# Altium PCB версия1.PcbDoc (part 2 of 3)
Units mm, origin at the board's own origin, x right, y up, seen from the top; angles counter-clockwise.
Board outline 53 x 45 mm, 4 copper layers (Top Layer, Layer 1, Layer 2, Bottom Layer), stack 1.083 mm thick; 122 components, 140 nets, 822 pads, 325 vias.
Unrouted connection lines stored in the file: 1.
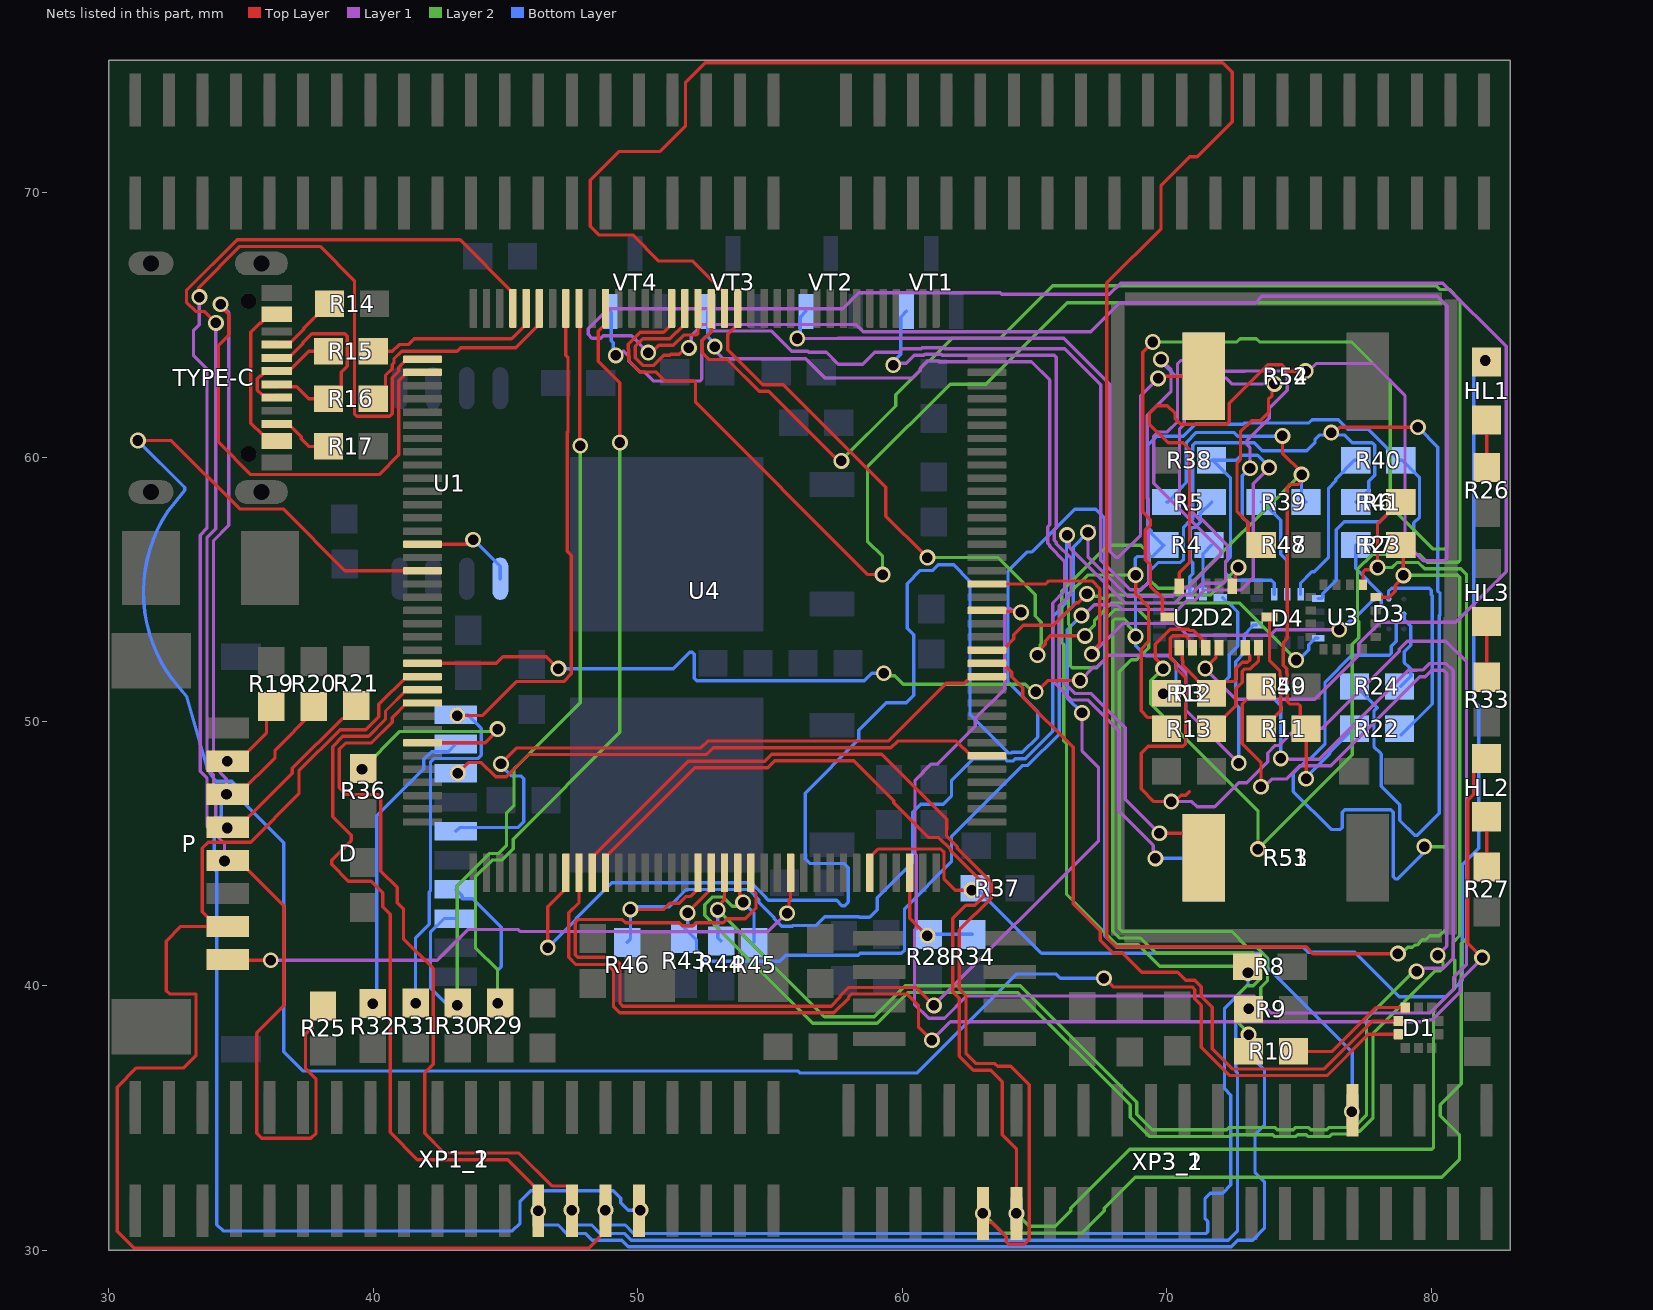
[diagram p4: the nets of this part, all layers, seen from the top]

## Via types
v1: diameter 0.6, hole 0.4, Top Layer to Bottom Layer, 325 vias

## Nets (pads, with @x,y where several pads share a name; then routed paths per layer and width w, separated by ;. In a path a pad name is that pad's centre, name@x,y a point inside that pad or via, vN(x,y) a via of type N, cw(c..) or ccw(c..) an arc to the next point about the centre after c; other vN are vias at no path point) (continued)
NetD1_5: D1.5 R10.2 | length 4.9
  Top Layer w0.125: R10.2@74.8,37.525 76.268,37.525 77.933,39.19 D1.5@79.025,39.19
NetD1_6: D1.6 U4.49 | length 27.8
  Top Layer w0.125: U4.49@63.2,52.2 63.795,52.2 64.137,51.858 64.137,51.698 64.562,51.273 64.562,50.923 66.462,49.024 66.462,43.108 67.487,42.083 67.487,41.729 67.981,41.236 68.335,41.236 69.051,40.519 70.411,40.519 70.717,40.213 71.071,40.213 71.313,39.971 71.313,39.617 71.725,39.205 71.725,37.62 72.483,36.862 75.959,36.862 77.771,38.675 D1.6@78.76,38.675
NetD1_7: D1.7 U4.125 | length 86.5
  Top Layer w0.125: v1(31.1,60.625) 32.368,60.625 34.956,58.038 36.592,58.038 38.93,55.7 U4.125@41.86,55.7 ; v1(67.625,40.295) 67.65,40.295 67.982,39.963 70.967,39.963 71.063,39.867 71.063,39.514 71.313,39.264 71.313,37.679 72.379,36.612 76.062,36.612 77.625,38.175 D1.7@78.76,38.175
  Bottom Layer w0.125: v1(31.1,60.625) 32.839,58.886 32.875,58.85 32.875,58.798 32.875,58.746 32.497,58.275 cw(c32,58.675) 32.492,58.27 32.243,57.966 32.239,57.961 ccw(c36.829,54.896) 32.664,51.274 32.935,50.962 33.737,48.195 33.989,47.811 34.063,47.738 34.114,47.738 34.652,47.738 34.938,47.452 34.938,47.098 36.613,45.423 36.613,37.511 37.336,36.787 56.056,36.787 56.131,36.712 60.577,36.712 64.314,40.45 65.828,40.45 65.983,40.295 v1(67.625,40.295)
NetD2_1: D2.1 U4.92 | length 72.7
  Top Layer w0.125: U4.92@51.78,65.62 51.78,65.025 51.493,64.738 51.482,64.738 51.467,64.722 51.458,64.722 51.208,64.472 50.197,64.472 49.906,64.182 49.906,63.754 50.198,63.462 50.602,63.462 50.989,63.849 51.215,63.849 51.252,63.886 51.569,63.886 51.808,64.125 v1(51.937,64.125) ; D2.1@70.475,55.115 70.475,55.617 70.863,56.004 70.863,60.292 70.617,60.538 70.052,60.538 69.342,61.248 69.342,61.652 69.627,61.938 70.031,61.938 70.317,61.652 70.317,61.454 70.533,61.238 72.267,61.238 72.363,61.333 72.363,62.027 73.825,63.489 74.353,63.489 74.595,63.248 v1(75.252,63.248)
  Layer 1 w0.125: v1(51.937,64.125) 52.028,64.216 52.028,64.596 52.445,65.013 58.249,65.013 58.524,64.738 67.125,64.738 68.225,65.838 73.363,65.838 73.6,66.075 80.24,66.075 80.588,65.728 80.588,65.374 80.592,65.37 80.592,56.148 80.518,56.075 79.71,56.075 79.009,56.776 79.009,62.331 77.802,63.538 75.652,63.538 75.362,63.248 v1(75.252,63.248)
NetD2_5: D2.5 U4.50 | length 11.8
  Top Layer w0.125: U4.50@63.2,52.7 63.795,52.7 64.223,53.128 64.223,53.287 64.573,53.638 65.72,53.638 66.573,54.491 66.651,54.491 v1(66.988,54.827) ; D2.5@72.475,55.115 72.587,55.228 72.587,55.574 72.71,55.697 v1(72.71,55.825)
  Layer 2 w0.125: v1(66.988,54.827) 67.078,54.736 67.455,54.736 67.538,54.653 67.736,54.653 67.87,54.788 71.672,54.788 v1(72.71,55.825)
NetD2_8: D2.8 R11.2 | length 4.7
  Top Layer w0.125: R11.2@73.575,49.725 73.625,49.725 74.313,50.413 74.313,50.654 74.312,51.691 74.288,51.716 74.288,51.892 73.89,52.29 D2.8@73.89,53.95
NetD2_9: D2.9 R13.2 | length 3.9
  Top Layer w0.125: R13.2@71.7,49.725 71.75,49.725 72.612,50.587 72.612,51.232 72.863,51.482 72.863,51.892 72.958,51.988 73.16,51.988 73.475,52.303 D2.9@73.475,52.785
NetD2_10: D2.10 D2.15 R12.1 | length 5
  Top Layer w0.125: D2.15@70.475,52.785 70.587,52.673 70.587,52.321 70.603,52.306 70.603,52.122 71.65,51.075 R12.1@71.7,51.075 72.138,51.513 72.539,51.513 72.613,51.586 72.613,51.996 72.854,52.238 73.056,52.238 73.137,52.319 73.137,52.503 72.975,52.665 D2.10@72.975,52.785
NetD2_12: D2.12 U4.91 | length 66.1
  Top Layer w0.125: v1(50.4,63.95) 50.529,63.95 50.801,64.222 51.345,64.222 51.735,64.613 52.207,64.613 52.28,64.686 U4.91@52.28,65.62 ; v1(71.46,52.004) 71.863,52.406 71.863,52.673 D2.12@71.975,52.785
  Layer 1 w0.125: v1(50.4,63.95) 49.767,64.583 48.695,64.583 48.61,64.498 48.27,64.498 48.124,64.644 48.124,64.851 48.878,65.605 57.747,65.605 58.355,66.213 63.703,66.213 63.761,66.154 67.835,66.154 68.256,66.575 80.447,66.575 82.838,64.185 82.838,55.67 80.923,53.755 78.078,53.755 77.262,52.939 77.262,52.502 75.598,50.837 72.619,50.837 71.46,51.996 v1(71.46,52.004)
NetD2_13: D2.13 U4.90 | length 74.3
  Top Layer w0.125: U4.90@52.78,65.62 52.78,64.736 52.707,64.662 52.698,64.662 52.424,64.389 52.424,63.961 52.698,63.687 53.395,63.687 54.595,62.487 54.948,62.487 57.58,59.856 v1(57.7,59.856) ; v1(69.865,52) 69.865,52.084 69.562,52.386 69.562,52.926 70.129,53.493 70.821,53.493 70.874,53.439 71.021,53.439 71.362,53.097 71.362,52.898 D2.13@71.475,52.785 ; v1(73.45,45.175) 73.45,45.48
  Layer 2 w0.125: v1(57.7,59.856) 57.7,59.875 59.755,61.93 59.755,62.357 60.678,63.279 60.678,63.349 60.963,63.635 61.033,63.635 61.886,64.487 63.709,64.487 65.697,66.475 80.194,66.475 80.331,66.338 80.685,66.338 81.092,65.931 81.092,56.098 81.018,56.025 79.857,56.025 79.57,56.313 77.773,56.313 77.213,55.752 77.213,53.83 77.263,53.78 77.263,53.17 77.013,52.92 77.013,48.738 v1(73.45,45.175) 73.45,46.625 69.387,50.688 69.387,51.522 v1(69.865,52)
NetD2_14: D2.14 U4.53 | length 77.8
  Top Layer w0.125: U4.53@63.2,54.2 63.238,54.162 64.452,54.162 v1(64.491,54.124) ; 70.85,47.342 70.721,47.212 70.542,47.212 70.304,46.974 69.517,46.974 69.038,47.454 69.038,48.796 69.304,49.062 70.617,49.062 70.713,49.158 70.713,51.659 70.353,52.019 70.353,52.202 70.137,52.417 70.137,53.147 70.233,53.243 70.717,53.243 70.863,53.097 70.863,52.898 D2.14@70.975,52.785
  Layer 1 w0.125: v1(64.491,54.124) 64.407,54.208 64.139,54.208 64.071,54.275 63.948,54.275 63.875,54.202 63.875,51.225 62.766,50.116 62.766,49.82 61.342,48.396 61.106,48.396 60.488,47.777 60.488,44.991 60.527,44.952 60.527,42.166 60.462,42.102 60.462,39.312 60.996,38.778 61.6,38.778 62.446,39.625 73.302,39.625 73.952,38.975 79.943,38.975 80.847,39.879 80.847,40.326 81.338,40.817 81.338,52.262 80.561,53.039 79.095,53.039 78.791,52.736 78.791,52.652 75.879,49.74 74.906,49.74 74.261,49.095 74.111,49.095 73.825,48.809 73.825,48.482 73.03,47.687 72.723,47.687 71.811,46.775 71.157,46.775 70.957,46.974 v1(70.175,46.974)
NetD2_16: D2.16 U4.93 | length 83
  Top Layer w0.125: U4.93@51.28,65.62 51.28,65.025 50.978,64.722 50.093,64.722 49.639,64.268 49.639,64.064 49.656,64.047 49.656,63.651 50.095,63.212 50.705,63.212 51.044,62.874 52.114,62.874 52.187,62.801 52.187,62.073 58.704,55.557 v1(59.259,55.557) ; v1(69.475,64.35) 69.092,63.967 69.092,57.929 69.387,57.633 69.387,57.411 69.314,57.338 69.283,57.338 69.188,57.242 69.188,56.108 69.283,56.012 69.314,56.012 69.387,55.939 69.387,55.115 69.828,54.675 69.828,54.063 69.94,53.95 D2.16@70.06,53.95
  Layer 2 w0.125: v1(59.259,55.557) 59.259,56.245 58.687,56.817 58.687,59.627 61.817,62.757 63.157,62.757 66.238,65.838 80.478,65.838 80.592,65.724 80.592,56.598 80.518,56.525 80.064,56.525 78.453,58.136 78.453,62.886 76.989,64.35 73.518,64.35 73.391,64.477 72.78,64.477 72.653,64.35 v1(69.475,64.35)
NetD3_A3: D3.A3 R22.2 | length 7.9
  Bottom Layer w0.125: D3.A3@78.4,54.632 78.387,54.645 78.387,54.919 78.505,55.037 79.927,55.037 80,54.964 80,54.789 80.038,54.752 80.038,50.663 R22.2@78.875,49.5
NetD3_A5: D3.A5 U4.55 | length 18.9
  Top Layer w0.125: U4.55@63.2,55.2 65.435,55.2 65.549,55.314 67.189,55.314 67.475,55.029 67.475,52.939 67.175,52.639 v1(67.175,52.55)
  Layer 1 w0.125: v1(67.175,52.55) 68.33,53.705 70.331,53.705 70.771,53.265 73.919,53.265 74.129,53.475 v1(76.525,53.475)
  Bottom Layer w0.125: v1(76.525,53.475) 76.589,53.475 76.902,53.788 76.99,53.788 D3.A5@77.834,54.632
NetD3_B4: D3.B4 R23.2 | length 2.7
  Bottom Layer w0.125: R23.2@77.15,56.675 77.15,55.787 78.117,54.82 D3.B4@78.117,54.349
NetD3_C1: D3.C1 R24.1 | length 3.2
  Bottom Layer w0.125: R24.1@78.85,51.325 79.229,51.703 79.229,51.991 79.155,52.064 79.154,52.064 78.988,52.23 78.988,52.634 79.229,52.875 79.229,53.609 78.98,53.857 78.98,54.052 D3.C1@78.966,54.066
NetD3_D2: D3.D2 U4.89 | length 106.2
  Top Layer w0.125: U4.89@53.28,65.62 53.28,66.215 52.082,67.413 50.798,67.413 49.813,68.397 48.528,68.397 48.2,68.725 48.2,70.475 49.275,71.55 50.825,71.55 51.808,72.533 51.808,74.172 52.548,74.912 72.114,74.912 72.475,74.552 72.475,72.68 71.147,71.353 70.868,71.353 69.788,70.272 69.788,68.633 67.74,66.585 67.74,53.969 67.737,53.967 67.737,41.833 68.085,41.486 75.269,41.486 75.532,41.223 v1(78.744,41.223)
  Layer 2 w0.125: v1(78.744,41.223) 78.872,41.223 79.111,41.462 79.294,41.462 79.378,41.546 79.467,41.546 79.664,41.743 79.791,41.743 79.945,41.896 80.311,41.896 80.588,42.172 80.588,45.197 80.514,45.27 v1(79.739,45.27)
  Bottom Layer w0.125: D3.D2@78.683,53.783 78.683,53.037 78.487,52.841 78.487,52.573 78.414,52.5 76.995,52.5 75.987,51.492 75.987,50.325 75.988,49.158 75.428,48.599 75.347,48.599 74.788,48.039 74.788,47.353 76.222,45.918 76.564,45.918 76.637,45.991 76.637,46.567 76.733,46.663 78.467,46.663 78.562,46.567 78.562,44.122 78.636,44.049 78.739,44.049 79.649,44.958 79.649,45.179 v1(79.739,45.27)
NetD4_1: D4.1 R41.2 | length 5.8
  Bottom Layer w0.125: D4.1@75.725,54.65 75.838,54.65 75.9,54.712 75.9,54.825 76.412,55.337 76.412,57.253 76.717,57.558 78.058,57.558 78.8,58.3 R41.2@78.85,58.3
NetD4_4: D4.4 U4.88 | length 33.5
  Top Layer w0.125: U4.88@53.78,65.62 53.78,65.025 53.399,64.644 53.399,64.061 54.723,62.737 55.507,62.737 59.381,58.864 59.381,57.769 60.825,56.325 v1@61.125,56.325 ; v1(65.116,52.51) 65.116,52.625 65.403,52.912 65.403,53.043 65.6,53.239 v1(66.913,53.239)
  Layer 2 w0.125: v1(60.95,56.2) 63.63,56.2 65.031,54.8 65.031,53.99 65.263,53.758 65.263,52.948 65.207,52.892 65.207,52.601 v1(65.116,52.51) ; v1(66.913,53.239) 66.913,53.296 67.273,53.657 67.273,53.837 67.919,54.483 72.739,54.483 v1(74.895,52.327)
  Bottom Layer w0.125: v1(74.895,52.327) 74.994,52.327 75.373,52.706 75.373,52.911 75.613,53.15 D4.4@75.725,53.15
NetD4_9: D4.9 U4.132 | length 41.6
  Top Layer w0.125: U4.132@41.86,52.2 44.653,52.2 44.903,52.45 46.55,52.45 v1(47,52) ; v1(65.05,51.125) 65.071,51.125 65.496,51.55 v1(66.725,51.55)
  Layer 1 w0.125: v1(66.725,51.55) 67.237,52.062 67.377,52.062 67.814,52.5 70.055,52.5 70.733,51.822 70.733,50.417 v1(72.725,48.425)
  Layer 2 w0.125: v1(59.3,51.825) 59.391,51.734 59.719,51.734 60.04,51.412 64.648,51.412 64.936,51.125 v1(65.05,51.125)
  Bottom Layer w0.125: v1(47,52) 51.339,52 51.961,52.621 52.064,52.621 52.137,52.548 52.137,51.633 52.233,51.537 58.567,51.537 58.855,51.825 v1(59.3,51.825) ; v1(72.725,48.425) 72.725,50.542 72.612,50.654 72.612,52.266 72.938,52.591 72.938,53.28 73.075,53.417 73.075,53.437 73.288,53.65 D4.9@73.4,53.65
NetD4_12: D4.12 R38.1 U4.22 | length 64.9
  Top Layer w0.125: U4.22@54.28,44.28 54.28,43.685 54.474,43.491 54.474,42.959 54.061,42.546 53.386,42.546 53.227,42.387 52.202,42.387 52.091,42.276 51.687,42.276 51.575,42.387 49.543,42.387 49.418,42.513 47.733,42.513 47.637,42.417 47.637,41.183 47.733,41.088 49.062,41.088 49.331,40.819 49.331,39.339 49.433,39.237 57.317,39.237 57.646,39.566 57.646,39.616 57.975,39.944 60.52,39.944 v1(61.198,39.266)
  Layer 1 w0.125: v1(61.198,39.266) 67.425,45.493 67.425,48.257 66.8,48.882 v1(66.8,50.325) ; v1(66.775,54.003) 66.853,54.003 67.262,54.412 68.135,54.412 68.314,54.233 70.42,54.233 70.762,54.575 71.048,54.575 71.448,54.975 72.811,54.975 73.274,55.438 73.274,58.999 v1(73.875,59.6)
  Bottom Layer w0.125: v1(66.775,54.003) 66.237,53.466 66.237,50.887 v1(66.8,50.325) ; R38.1@71.7,59.875 R38.1@71.75,59.875 ; v1(73.875,59.6) 73.875,59.625 73.437,60.063 72.813,60.063 72.626,59.875 R38.1@71.75,59.875 ; D4.12@74.062,54.812 74.062,55.237 73.962,55.338 72.508,55.338 72.222,55.623 72.222,56.018 72.313,56.108 72.313,56.117 72.413,56.217 72.413,59.212 R38.1@71.75,59.875
NetD4_13: D4.13 R39.2 | length 3.9
  Bottom Layer w0.125: R39.2@73.575,58.3 73.625,58.3 74.313,57.612 74.313,56.322 74.563,56.072 D4.13@74.563,54.812
NetD4_14: D4.14 R40.2 | length 6
  Bottom Layer w0.125: D4.14@75.062,54.812 75.062,55.237 75.492,55.667 75.583,55.667 76.123,56.207 76.123,58.827 76.393,59.097 76.393,59.168 77.1,59.875 R40.2@77.15,59.875
NetD_1: D.1 R31.2 U4.101 | length 32.5
  Top Layer w0.125: v1(43.175,50.225) 44.125,50.225 45.412,51.512 47.202,51.512 47.488,51.798 47.488,56.29 47.337,56.44 47.337,60.932 47.365,60.96 47.365,63.755 47.28,63.84 U4.101@47.28,65.62
  Bottom Layer w0.125: v1(41.6,39.35) 41.6,41.829 42.114,42.342 42.114,43.549 42.162,43.598 42.162,48.467 42.295,48.6 43.955,48.6 44.087,48.733 44.087,49.737 43.575,50.25 D.1@43.125,50.25
NetD_2: D.2 R32.2 | length 11.5
  Bottom Layer w0.125: v1(39.98,39.334) 39.98,39.463 40.138,39.62 40.138,46.442 41.912,48.217 41.912,48.571 42.204,48.862 42.837,48.862 D.2@43.125,49.15
NetD_3: D.3 U4.42 | length 21.2
  Top Layer w0.125: v1(43.2,48.05) 43.6,48.45 44.089,48.45 44.627,47.912 45.03,47.912 45.87,48.752 52.591,48.752 52.852,49.013 59.573,49.013 59.823,49.263 62.043,49.263 62.605,48.7 U4.42@63.2,48.7
NetD_5: D.5 U4.48 | length 25.2
  Top Layer w0.125: v1(44.829,48.4) 45.43,49.002 52.384,49.002 52.645,49.263 59.47,49.263 61.657,51.45 62.355,51.45 62.605,51.7 U4.48@63.2,51.7
  Bottom Layer w0.125: D.5@43.125,45.85 43.264,45.989 45.464,45.989 45.688,46.213 45.688,47.842 45.592,47.937 45.242,47.937 44.829,48.351 v1(44.829,48.4)
NetD_7: D.7 R29.2 U4.98 | length 34.8
  Top Layer w0.125: U4.98@48.78,65.62 48.78,65.025 48.512,64.757 48.512,63.627 49.325,62.814 v1(49.325,60.55)
  Layer 2 w0.125: v1(44.7,39.35) 44.7,40.611 43.862,41.448 43.862,44.123 44.502,44.762 44.855,44.762 45.288,45.195 45.288,45.548 49.325,49.586 v1(49.325,60.55)
  Bottom Layer w0.125: D.7@43.125,43.65 43.37,43.405 43.37,43.3 43.755,43.3 44.837,42.217 44.837,40.734 44.7,40.596 v1(44.7,39.35)
NetD_8: D.8 R30.2 U4.100 | length 33.1
  Top Layer w0.125: U4.100@47.78,65.62 47.802,65.597 47.802,60.45 v1(47.825,60.427)
  Layer 2 w0.125: v1(43.175,39.275) 43.175,43.789 44.398,45.012 44.752,45.012 45.038,45.298 45.038,46.538 45.325,46.825 45.325,48.207 47.825,50.707 v1(47.825,60.427)
  Bottom Layer w0.125: D.8@43.125,42.55 42.675,42.55 42.162,42.037 42.162,39.933 42.729,39.366 43.084,39.366 v1(43.175,39.275)
NetHL1_1: HL1.1 R26.1 | length 1.8
  Top Layer w0.125: R26.1@82.1,59.6 HL1.1@82.1,61.4
NetHL1_2: HL1.2 U4.8 | length 109
  Top Layer w0.125: v1(46.6,41.45) 46.6,43.005 47.28,43.685 U4.8@47.28,44.28
  Bottom Layer w0.125: v1(46.6,41.45) 47.677,42.527 47.677,42.566 49.009,43.898 54.292,43.898 54.838,43.352 54.838,43.333 54.933,43.237 57.525,43.237 57.723,43.039 57.827,43.039 57.963,43.175 57.963,44.467 57.795,44.635 56.502,44.635 56.335,44.802 56.335,47.297 58.362,49.323 58.362,49.677 59.397,50.712 60.156,50.712 60.438,50.994 60.438,53.279 60.187,53.529 60.187,55.216 60.684,55.712 61.155,55.712 61.368,55.925 61.95,55.925 62.562,55.313 62.562,50.273 64.029,48.807 64.132,48.807 64.163,48.837 64.548,48.837 65.125,49.414 65.125,50.361 64.003,51.483 64.003,55.692 64.723,56.413 64.909,56.413 66.521,58.025 67.327,58.025 67.663,57.689 67.663,41.908 68.085,41.486 75.139,41.486 75.35,41.275 77.115,41.275 78.796,39.593 80.561,39.593 81.181,40.213 81.181,44.581 81.8,45.2 81.8,50.595 81.612,50.782 81.612,63.212 v1(82.05,63.65)
NetHL2_1: HL2.1 R27.1 | length 1.9
  Top Layer w0.125: R27.1@82.1,44.5 HL2.1@82.1,46.4
NetHL2_2: HL2.2 U4.9 | length 50.7
  Top Layer w0.125: U4.9@47.78,44.28 47.78,43.157 47.387,42.764 47.387,41.079 47.654,40.812 48.867,40.812 49.081,40.599 49.081,39.235 49.329,38.987 57.421,38.987 57.971,39.538 57.971,39.587 58.078,39.694 60.194,39.694 60.614,39.274 60.614,38.461 v1(61.125,37.95) ; v1(81.925,41.075) 81.388,41.612 81.388,47.017 81.613,47.242 81.613,48.113 HL2.2@82.1,48.6
  Layer 1 w0.125: v1(61.125,37.95) 61.825,38.65 79.618,38.65 79.693,38.725 80.046,38.725 81.097,39.775 81.097,40.222 81.925,41.051 v1(81.925,41.075)
NetHL3_1: HL3.1 R33.1 | length 2.1
  Top Layer w0.125: R33.1@82.1,51.675 HL3.1@82.1,53.775
NetP_2: P.2 R19.1 | length 3
  Top Layer w0.125: P.2@34.5,48.5 34.9,48.5 35.962,49.562 35.962,50.063 R19.1@36.4,50.5
  other v1: 34.475,48.5
NetP_3: P.3 R20.1 U4.110 XP1_1.31 XP1_2.31 | length 75.1
  Top Layer w0.125: v1(34.227,65.777) 34.227,65.709 34.538,65.398 34.538,64.613 34.15,64.225 34.15,60.551 35.363,59.337 40.217,59.337 40.963,60.083 40.963,62.887 41.188,63.112 41.188,63.122 41.265,63.2 U4.110@41.86,63.2 ; P.3@34.5,47.25 34.9,47.25 36.288,48.638 36.288,48.913 37.737,50.363 37.737,50.413 R20.1@37.775,50.45
  Layer 1 w0.125: v1(34.227,65.777) 34.538,65.466 34.538,57.42 33.962,56.845 33.962,48.323 34.45,47.836 v1(34.45,47.25)
  Bottom Layer w0.125: v1(34.45,47.25) 34.45,47.139 34.25,46.939 34.25,46.439 33.987,46.177 33.987,45.027 33.887,44.927 33.887,44.523 34.087,44.323 34.087,30.973 34.323,30.737 45.262,30.737 45.55,31.025 45.55,31.865 45.948,32.263 49.072,32.263 49.355,31.98 49.355,31.808 49.637,31.525 v1(50.1,31.525)
NetP_4: P.4 R21.1 U4.105 | length 42.6
  Top Layer w0.125: v1(34.05,65.074) 33.617,65.506 33.279,65.506 32.937,65.848 32.937,66.298 34.852,68.212 43.283,68.212 45.28,66.215 U4.105@45.28,65.62 ; P.4@34.5,46 34.9,46 36.94,48.04 36.94,48.234 38.819,50.113 38.963,50.113 R21.1@39.225,50.375
  Layer 1 w0.125: v1(34.05,65.074) 34.05,57.286 33.712,56.948 33.712,48.22 33.962,47.97 33.962,47.048 34.05,46.961 34.05,46.4 v1(34.475,45.975)
NetP_5: P.5 R25.1 U4.109 | length 58.2
  Top Layer w0.125: v1@33.4,66.3 33.4,66.407 34.956,67.962 37.988,67.962 39.288,66.662 39.288,61.633 39.383,61.537 40.617,61.537 40.713,61.633 40.713,62.99 40.963,63.24 40.963,63.387 41.033,63.457 41.033,63.468 41.265,63.7 U4.109@41.86,63.7 ; P.5@34.5,44.75 34.9,44.75 36.613,43.038 36.613,39.245 35.592,38.225 35.592,34.433 35.788,34.237 37.642,34.237 37.838,34.433 37.838,36.483 37.437,36.883 37.437,38.167 37.688,38.417 37.688,38.838 R25.1@38.1,39.25
  Layer 1 w0.125: v1(33.425,66.05) 33.425,64.998 33.2,64.773 33.2,63.85 33.712,63.338 33.712,57.302 33.462,57.052 33.462,48.116 33.712,47.866 33.712,46.048 34.375,45.386 v1(34.375,44.725)
NetP_7: P.7 R5.2 R8.1 R11.1 R22.1 R39.1 U4.133 XP1_1.29 XP1_2.29 | length 143.1
  Top Layer w0.125: P.7@34.5,42.25 P.7@34.1,42.25 ; U4.133@41.86,51.7 41.265,51.7 40.213,50.648 40.213,50.183 39.717,49.687 38.747,49.687 37.19,48.131 37.19,47.261 35.367,45.438 33.758,45.438 33.538,45.217 33.538,42.813 P.7@34.1,42.25 ; v1(48.775,31.525) 48.775,30.72 48.142,30.088 30.958,30.088 30.325,30.72 30.325,36.18 31.045,36.9 32.83,36.9 33.296,37.366 33.296,39.7 32.3,39.7 32.175,39.825 32.175,41.7 32.725,42.25 P.7@34.1,42.25 ; v1(74.377,60.8) 74.377,60.14 75.1,59.418 v1(75.1,59.336) ; v1@75.05,59.336 75.05,59.036 74.977,58.963 74.658,58.963 74.562,58.867 74.562,53.14 74.408,52.985 74.408,52.126 74.538,51.996 74.538,51.819 74.562,51.794 74.562,50.758 74.658,50.662 74.977,50.662 75.05,50.589 75.05,50.163 75.167,50.045 75.275,50.045 R11.1@75.275,49.725 v1(75.275,47.837)
  Layer 2 w0.125: v1(73.075,40.498) 72.946,40.498 72.694,40.75 69.737,40.75 68.925,41.562 68.115,41.562 66.212,43.465 66.212,49.155 66.104,49.264 66.104,52.919 66.038,52.985 66.038,54.92 67.78,56.663 69.029,56.663 69.351,56.34 69.351,55.36 69.673,55.038 70.629,55.038 70.641,55.05 70.764,55.05 75.05,59.336 v1(75.1,59.336)
  Bottom Layer w0.125: v1(48.775,31.525) 48.775,31.13 48.942,30.963 49.533,30.963 49.858,30.637 71.479,30.637 71.552,30.711 71.552,31.098 71.452,31.198 71.452,31.967 71.648,32.163 72.114,32.163 72.428,32.476 72.428,35.867 72.187,36.107 72.187,39.155 73.075,40.043 v1(73.075,40.498) ; R5.2@70,58.3 70.05,58.3 70.487,58.737 70.487,58.787 70.737,59.037 70.737,60.546 71.121,60.93 72.544,60.93 72.686,60.787 74.365,60.787 v1(74.377,60.8) ; v1(75.1,59.336) 75.1,58.575 75.05,58.525 R39.1@75.275,58.3 ; v1(75.275,47.837) 75.275,47.9 76.162,48.787 76.162,48.838 77.05,49.725 R22.1@77.198,49.725
NetP_8: P.8 U4.25 | length 23.6
  Top Layer w0.125: P.8@34.5,41 34.525,40.975 v1(36.125,40.975) ; v1(55.65,42.75) 55.718,42.818 55.718,43.237 55.78,43.3 U4.25@55.78,44.28
  Layer 1 w0.125: v1(36.125,40.975) 42.425,40.975 43.587,42.137 44.148,42.137 45.472,42.138 45.547,42.063 49.194,42.063 49.21,42.046 54.921,42.046 55.625,42.75 v1(55.65,42.75)
NetR3_1: R3.1 U2.1 | length 4.2
  Bottom Layer w0.125: R3.1@71.7,51.325 72,51.325 72.362,51.687 72.362,52.529 72.688,52.854 72.688,53.383 72.689,53.384 72.689,54.141 72.342,54.487 72.286,54.487 72.213,54.561 72.213,54.587 U2.1@72.125,54.675
NetR3_2: R3.2 R10.1 R12.2 R24.2 R41.1 U4.134 XP1_1.25 XP1_2.25 | length 135.9
  Top Layer w0.125: U4.134@41.86,51.2 41.265,51.2 40.463,50.397 40.463,50.079 39.821,49.437 38.851,49.437 38.462,49.049 38.462,46.408 39.168,45.703 39.168,45.498 38.425,44.755 38.425,44.595 39.058,43.963 39.917,43.963 40.362,43.517 40.362,42.988 40.643,42.708 40.643,34.463 41.67,33.435 45.08,33.435 46.24,32.275 v1(46.24,31.5) ; v1(76.225,60.925) 76.354,60.925 76.554,61.125 v1(79.5,61.125)
  Layer 2 w0.125: v1(68.825,53.218) 68.825,53.346 68.548,53.623 68.548,53.719 68.391,53.876 68.036,53.876 67.962,53.803 67.962,42.069 68.219,41.812 69.028,41.812 69.603,41.238 73.277,41.238 73.563,40.952 73.563,40.296 73.277,40.011 73.025,40.011 72.612,39.598 72.612,38.696 73.1,38.209 v1(73.1,38.163)
  Bottom Layer w0.125: v1(46.24,31.5) 46.24,31.125 46.402,30.963 46.993,30.963 47.318,30.637 48.034,30.637 48.284,30.387 49.401,30.387 49.651,30.137 72.439,30.137 72.689,30.387 73.252,30.387 73.698,30.833 73.698,32.605 73.337,32.965 73.337,34.373 73.698,34.733 73.698,36.84 73.087,37.45 73.087,38.15 v1(73.1,38.163) ; 68.825,53.537 68.825,53.218 68.825,52.863 69.2,52.488 70.067,52.488 70.353,52.202 70.353,51.428 69.975,51.05 v1(69.875,51.05) ; 68.825,53.538 68.825,54.809 69,54.983 69.029,54.983 69.315,55.269 69.315,55.298 69.342,55.325 69.342,55.681 69.673,56.013 70.517,56.013 70.637,56.133 70.637,57.346 70.879,57.588 70.914,57.588 70.987,57.661 70.987,60.442 71.083,60.537 73.316,60.537 73.616,60.237 75.305,60.237 75.605,60.537 75.605,60.659 75.78,60.834 76.134,60.834 v1(76.225,60.925) 76.316,60.834 76.712,60.834 77.009,60.537 77.767,60.537 77.862,60.442 77.862,59.308 77.637,59.083 77.637,58.738 77.2,58.3 R41.1@77.15,58.3 ; R24.2@77.1,51.325 77.15,51.325 77.958,50.517 ; 77.958,50.517 77.837,50.396 77.837,49.054 78.088,48.804 78.088,48.796 78.112,48.771 78.112,47.558 78.813,46.858 78.813,46.257 79.373,45.697 79.477,45.697 80.311,46.53 80.311,54.01 80.338,54.037 80.338,54.846 80.25,54.933 80.25,60.375 v1@79.525,61.1
NetR4_1: R4.1 U2.14 | length 2
  Bottom Layer w0.125: U2.14@71.375,54.825 71.375,56.35 R4.1@71.7,56.675
NetR4_2: R4.2 R9.1 R13.1 R23.1 R40.1 U4.135 XP1_1.27 XP1_2.27 | length 120.8
  Top Layer w0.125: U4.135@41.86,50.7 41.265,50.7 40.713,50.148 40.713,49.976 39.924,49.187 38.954,49.187 38.712,48.946 38.712,47.504 38.979,47.238 40.192,47.238 40.288,47.142 40.288,45.908 40.287,44.337 40.9,43.725 40.907,43.725 40.912,43.72 40.912,43.145 41.143,42.915 41.143,41.782 42.263,40.662 42.263,37.033 41.942,36.713 41.942,34.433 42.69,33.685 45.51,33.685 46.757,32.438 47.347,32.438 47.5,32.285 v1(47.5,31.525) ; v1(68.827,55.536) 68.827,54.829 69.312,54.344 69.312,53.016 69.037,52.741 69.037,50.404 69.292,50.15 69.575,50.15 R13.1@70,49.725
  Layer 2 w0.125: v1(68.827,55.536) 67.008,55.536 66.288,54.816 66.288,53.689 66.354,53.623 66.354,52.111 66.427,52.038 67.364,52.038 67.707,52.381 67.707,53.902 68.039,54.233 68.922,54.233 69.317,53.838 69.317,52.79 68.861,52.334 68.669,52.334 68.213,51.878 68.213,42.172 68.322,42.062 72.452,42.062 73.027,41.488 73.38,41.488 73.813,41.055 73.813,40.193 73.563,39.943 73.563,39.588 73.113,39.138 v1(73.1,39.138)
  Bottom Layer w0.125: v1(47.5,31.525) 47.5,31.135 47.672,30.963 48.263,30.963 48.588,30.637 49.504,30.637 49.754,30.387 72.336,30.387 72.678,30.729 72.678,36.719 72.612,36.784 72.612,37.236 72.6,37.248 72.6,37.652 72.612,37.664 72.612,38.637 73.1,39.125 v1(73.1,39.138) ; v1(68.827,55.536) 68.816,55.547 68.816,56.164 68.89,56.237 69.462,56.237 R4.2@69.9,56.675 ; R4.2@69.825,56.7 69.412,57.112 69.412,57.213 69.287,57.338 69.287,60.442 69.633,60.788 70.626,60.788 71.076,61.237 72.888,61.237 72.938,61.287 73.668,61.287 74.398,61.288 75.38,61.287 75.505,61.413 76.488,61.413 76.85,61.05 77.625,61.05 78.8,59.875 R40.1@78.85,59.875 78.9,59.875 79.563,59.213 79.563,57.733 79.337,57.508 79.337,57.112 78.9,56.675 R23.1@78.85,56.675
NetR5_1: R5.1 U2.13 | length 4
  Bottom Layer w0.125: U2.13@70.875,54.825 70.875,55.476 70.988,55.588 70.988,56.008 70.887,56.108 70.887,57.242 70.983,57.338 71.083,57.338 71.275,57.53 71.275,57.875 R5.1@71.7,58.3
NetR6_1: R6.1 U3.16 U4.10 XP3_1.9 XP3_2.9 | length 88.1
  Top Layer w0.125: U4.10@48.28,44.28 48.28,44.875 51.907,48.502 54.809,48.502 55.07,48.763 59.227,48.763 61.687,46.302 61.687,45.898 61.674,45.884 61.674,45.678 62.082,45.269 62.082,45.21 63.363,43.93 63.363,43.32 62.161,42.118 62.161,39.89 62.411,39.64 62.411,37.454 62.799,37.066 63.506,37.066 63.608,36.964 64.111,36.964 64.808,36.267 64.808,30.433 64.612,30.237 64.028,30.237 63.932,30.333 63.932,30.518 63.389,31.061 63.212,31.061 63.05,31.223 v1(63.05,31.4) ; U3.16@77.425,55.175 77.425,55.66 77.499,55.734 77.756,55.734 77.888,55.866 v1@77.888,55.912 ; v1(77.975,55.825) v1@77.888,55.912 ; R6.1@78.85,58.3 78.8,58.3 77.975,57.475 77.975,56 v1@77.888,55.912
  Layer 2 w0.125: v1(63.05,31.4) 63.788,30.662 66.812,30.662 67.642,31.493 67.642,31.602 68.811,32.77 80.399,32.77 81.075,33.446 81.075,34.366 80.342,35.098 80.342,35.502 81.138,36.297 81.138,41.605 81.338,41.805 81.338,55.555 81.118,55.775 79.754,55.775 79.516,56.013 78.721,56.013 78.534,55.825 v1(77.975,55.825)
NetR7_1: R7.1 U3.1 U4.11 XP3_1.11 XP3_2.11 | length 77.2
  Top Layer w0.125: U4.11@48.78,44.28 48.78,44.875 52.157,48.252 54.912,48.252 55.173,48.513 58.177,48.513 59.68,47.009 59.68,46.931 60.998,45.612 61.385,45.612 61.832,45.165 61.832,45.107 63.113,43.827 63.113,43.423 62.743,43.053 62.411,43.053 61.911,42.553 61.911,39.787 62.161,39.537 62.161,37.35 62.695,36.816 63.343,36.816 63.788,36.371 63.788,34.378 64.32,33.845 v1(64.32,31.4) ; U3.1@77.9,54.7 78.425,54.7 78.642,54.917 78.642,55.144 78.95,55.451 78.95,56.55 R7.1@78.825,56.675
  Layer 2 w0.125: v1(64.32,31.4) 64.808,30.912 65.792,30.912 66.372,31.493 66.372,31.602 68.596,33.825 80.019,33.825 80.092,33.898 80.092,39.125 80.888,39.92 80.888,40.981 80.838,41.031 80.838,41.659 81.088,41.909 81.088,55.452 81.014,55.525 v1(78.95,55.525)
NetR14_2: R14.2 TYPE-C.A5 | length 2.7
  Top Layer w0.125: TYPE-C.A5@36.35,64.25 36.437,64.338 36.887,64.338 37.375,64.825 37.375,64.875 38.3,65.8 R14.2@38.35,65.8
NetR15_1: R15.1 TYPE-C.A6 TYPE-C.B6 | length 4.4
  Top Layer w0.125: TYPE-C.B6@36.35,62.25 36.262,62.338 35.813,62.338 35.617,62.533 35.617,62.967 35.713,63.062 35.742,63.062 35.93,63.25 TYPE-C.A6@36.35,63.25 36.437,63.338 36.9,63.338 37.562,64 R15.1@38.3,64
NetR15_2: R15.2 U4.104 | length 6.8
  Top Layer w0.125: R15.2@40,64 40.722,64 40.975,64.253 41.328,64.253 41.549,64.474 45.229,64.474 45.78,65.025 U4.104@45.78,65.62
NetR16_1: R16.1 TYPE-C.A7 TYPE-C.B7 | length 8
  Top Layer w0.125: TYPE-C.A7@36.35,62.75 36.437,62.662 37.1,62.662 37.562,62.2 R16.1@38.3,62.2 38.35,62.2 38.787,62.637 38.787,63.208 39.013,63.433 39.013,64.567 38.917,64.663 37.683,64.663 37.335,64.315 37.335,64.285 36.887,63.837 36.437,63.837 TYPE-C.B7@36.35,63.75
NetR16_2: R16.2 U4.103 | length 8.5
  Top Layer w0.125: R16.2@40,62.2 40.025,62.2 40.463,62.637 40.463,63.094 40.713,63.344 40.713,63.49 40.783,63.561 40.783,63.707 41.078,64.003 43.168,64.003 43.303,64.138 45.393,64.138 46.28,65.025 U4.103@46.28,65.62
NetR17_1: R17.1 TYPE-C.B5 | length 2.4
  Top Layer w0.125: TYPE-C.B5@36.35,61.25 36.437,61.163 36.887,61.163 37.275,60.775 37.275,60.688 37.562,60.4 R17.1@38.3,60.4
NetR28_1: R28.1 R34.2 U4.34 | length 4.4
  Top Layer w0.125: U4.34@60.28,44.28 60.28,42.57 v1(60.95,41.9)
  Bottom Layer w0.125: v1(60.95,41.9) R28.1@61,41.95 61.003,41.953 R34.2@62.65,41.953
NetR36_1: R36.1 U4.138 | length 8.8
  Top Layer w0.125: U4.138@41.86,49.2 44.232,49.2 44.699,49.667 v1(44.699,49.713)
  Layer 2 w0.125: v1(39.575,48.2) 41,49.625 44.612,49.625 v1(44.699,49.713)
NetR37_1: R37.1 U4.31 XP3_1.32 XP3_2.32 | length 25
  Top Layer w0.125: U4.31@58.78,44.28 58.78,44.875 59.083,45.178 61.467,45.178 61.582,45.062 61.582,44.043 62,43.625 v1(62.625,43.625)
  Bottom Layer w0.125: R37.1@62.75,43.7 62.8,43.7 65.264,41.236 73.63,41.236 73.825,41.041 73.825,40.689 77.02,37.494 XP3_2.32@77.02,35.3
  other v1: 77,35.25
NetR43_1: R43.1 R48.1 U4.19 | length 58.9
  Top Layer w0.125: v1(51.889,42.763) 51.889,42.794 52.78,43.685 U4.19@52.78,44.28
  Layer 1 w0.125: v1@67.25,57.325 67.075,57.15 v1(67.025,57.15) 67.025,56.23 68.522,54.733 70.213,54.733 70.555,55.075 70.823,55.075 72.049,56.301 72.049,56.475 69.512,59.012 69.512,60.789 69.673,60.95 70.019,60.95 70.413,61.344 70.413,63.538 70.523,63.648 70.627,63.648 71.036,63.239 72.961,63.239 72.973,63.252 74.489,63.252 74.563,63.179 74.563,62.523 73.88,61.84 73.88,61.47 73.05,60.64 73.05,60.461 73.15,60.361 v1(73.15,59.575)
  Bottom Layer w0.125: v1(51.889,42.763) 51.889,42.288 51.78,42.179 51.775,42.179 52.224,41.729 52.224,41.346 52.633,40.938 55.375,40.938 55.6,41.163 58.342,41.163 58.417,41.237 59.967,41.237 60.087,41.358 60.087,42.927 61.862,44.702 61.862,45.642 64.558,48.337 64.755,48.337 65.937,49.52 65.937,53.855 66.462,54.38 66.462,56.587 v1(67.025,57.15) ; v1(73.15,59.575) 72.862,59.287 72.862,57.733 73.088,57.508 73.088,57.113 73.525,56.675 R48.1@73.575,56.675
NetR44_1: R44.1 R49.1 U4.20 | length 62.3
  Top Layer w0.125: v1(53.025,42.875) 53.025,43.004 53.28,43.259 U4.20@53.28,44.28
  Layer 1 w0.125: v1(74.313,48.607) 74.345,48.575 75.768,48.575 79.134,51.942 79.465,51.942 79.468,51.945 79.677,51.945 79.924,52.192 80.577,52.192 80.838,51.931 80.838,41.057 80.452,40.671 79.721,40.671 79.691,40.641 79.541,40.641 v1(79.45,40.55)
  Layer 2 w0.125: v1(53.025,42.875) 57.061,38.839 58.947,38.839 60.111,40.003 64.47,40.003 68.868,35.605 68.868,35.143 69.448,34.562 72.27,34.562 72.357,34.65 74.087,34.65 74.175,34.562 74.785,34.562 74.873,34.65 75.357,34.65 75.445,34.562 76.055,34.562 76.143,34.65 77.025,34.65 77.137,34.762 77.202,34.762 77.552,35.113 77.552,38.756 79.271,40.475 79.45,40.475 v1(79.45,40.55)
  Bottom Layer w0.125: v1(53.025,42.875) 53.025,41.825 R44.1@53.15,41.7 ; R49.1@73.575,51.325 73.625,51.325 74.062,50.888 74.062,50.838 74.313,50.587 v1(74.313,48.607)
NetR45_1: R45.1 R50.1 U4.21 | length 67
  Top Layer w0.125: U4.21@53.78,44.28 53.857,44.203 53.857,43.418 53.986,43.289 v1(53.986,43.161) ; v1(73.565,47.533) 73.565,48.455 72.862,49.158 72.862,50.662 73.525,51.325 R50.1@73.575,51.325
  Layer 1 w0.125: v1(73.565,47.533) 73.674,47.533 73.964,47.823 74.521,47.823 75.023,48.325 76.202,48.325 79.571,51.695 79.781,51.695 80.027,51.942 80.474,51.942 80.588,51.828 80.588,41.511 80.25,41.173 v1(80.25,41.159)
  Layer 2 w0.125: v1(53.986,43.161) 53.858,43.161 53.715,43.018 53.572,43.018 53.227,43.363 52.823,43.363 52.537,43.077 52.537,42.673 56.621,38.589 59.051,38.589 60.215,39.753 64.366,39.753 68.618,35.502 68.618,35.039 69.345,34.312 72.373,34.312 72.436,34.375 74.008,34.375 74.071,34.312 74.889,34.312 74.952,34.375 75.278,34.375 75.341,34.312 76.159,34.312 76.222,34.375 76.225,34.375 76.25,34.4 77.129,34.4 77.241,34.512 77.305,34.512 77.802,35.01 77.802,38.214 80.157,40.568 80.343,40.568 80.447,40.673 80.447,40.897 80.25,41.094 v1(80.25,41.159)
  Bottom Layer w0.125: v1(53.986,43.161) 54.4,42.747 R45.1@54.4,41.65
NetR46_1: R46.1 R47.1 U4.18 | length 61.2
  Top Layer w0.125: v1(49.725,42.895) 50.979,42.895 51.217,43.133 51.57,43.133 51.82,43.383 51.978,43.383 52.28,43.685 U4.18@52.28,44.28 ; R47.1@73.575,56.675 73.525,56.675 73.088,57.112 73.088,57.508 72.662,57.933 72.662,59.204 72.662,59.777 72.789,59.904 72.789,60.953 73.211,61.374 73.542,61.374 73.85,61.682 73.85,62.184 73.984,62.318 73.984,62.674 v1(74.075,62.764)
  Layer 1 w0.125: v1(66.237,57.051) 66.327,56.96 66.327,56.577 66.403,56.501 66.403,56.498 68.418,54.483 70.317,54.483 70.658,54.825 70.944,54.825 71.344,55.225 72.149,55.225 72.222,55.298 72.222,56.027 72.299,56.104 72.299,56.671 71.34,57.63 71.248,57.63 70.488,58.391 70.488,61.065 70.663,61.24 70.663,62.916 70.736,62.989 72.229,62.989 72.454,62.764 v1(74.075,62.764)
  Bottom Layer w0.125: R46.1@49.6,41.65 49.725,41.775 49.725,43 51.191,43 51.839,43.648 54.188,43.648 54.587,43.249 54.587,43.148 55.162,42.573 55.162,42.548 55.448,42.262 55.852,42.262 55.877,42.287 56.745,42.287 57.07,42.612 58.367,42.612 58.379,42.6 58.766,42.6 59.052,42.886 59.052,43.342 60.392,44.683 60.392,46.572 60.697,46.877 61.557,46.877 61.862,47.183 61.862,47.762 62.688,48.587 63.895,48.587 63.977,48.505 64.184,48.505 64.266,48.587 64.652,48.587 65.687,49.623 65.687,53.959 66.212,54.484 66.212,57.027 v1(66.237,57.051)
NetR51_1: R51.1 VT1.2 | length 31.2
  Top Layer w0.125: v1(69.725,45.775) 70.663,45.775 71.4,45.038 R51.1@71.4,44.85
  Layer 1 w0.125: v1(59.662,63.475) 59.736,63.549 60.149,63.549 60.45,63.85 60.825,63.85 60.86,63.885 61.471,63.885 61.505,63.85 65.752,63.85 65.825,63.777 65.825,57.329 65.749,57.253 65.749,56.849 65.825,56.773 65.825,56.723 66.383,56.164 66.383,54.824 65.937,54.378 65.937,51.648 66.523,51.062 67.134,51.062 68.434,49.763 68.434,47.066 v1(69.725,45.775)
  Bottom Layer w0.125: v1(59.662,63.475) 59.662,63.601 59.943,63.883 59.943,65.291 VT1.2@60.16,65.508
NetR52_1: R52.1 VT2.2 | length 29.6
  Top Layer w0.125: v1(69.675,62.975) 69.75,63.05 R52.1@71.4,63.05
  Layer 1 w0.125: v1(56.03,64.483) 57.583,64.483 57.588,64.488 66.112,64.488 67.85,62.75 67.85,56.435 68.072,56.213 68.175,56.213 69.012,57.05 69.012,62.312 v1(69.675,62.975)
  Bottom Layer w0.125: v1(56.03,64.483) 56.03,64.612 56.143,64.725 56.143,65.291 VT2.2@56.36,65.508
NetR53_1: R53.1 VT3.2 | length 37.7
  Layer 1 w0.125: v1(52.912,64.175) 52.912,64.046 53.162,63.796 53.162,63.712 56.357,63.713 57.082,62.987 60.386,62.987 60.678,63.279 60.678,63.349 60.963,63.635 61.367,63.635 61.402,63.6 64.889,63.6 65.575,62.914 65.575,57.432 65.499,57.356 65.499,56.745 65.575,56.67 65.575,56.619 66.133,56.061 66.133,54.927 65.687,54.481 65.687,52.313 65.687,51.545 66.42,50.812 67.03,50.812 68.184,49.659 68.184,46.627 69.498,45.313 69.498,44.902 v1(69.575,44.825)
  Bottom Layer w0.125: VT3.2@52.66,65.508 52.65,65.498 52.65,64.554 52.912,64.292 v1(52.912,64.175) ; v1(69.575,44.825) 71.375,44.825 R53.1@71.4,44.85
NetR54_1: R54.1 VT4.2 | length 43.6
  Layer 1 w0.125: v1(49.169,63.845) 49.297,63.845 49.456,64.004 49.471,64.004 49.662,63.813 49.662,63.645 50.095,63.212 50.263,63.212 50.601,62.874 52.351,62.874 52.424,62.947 52.424,64.389 52.798,64.763 55.062,64.763 55.828,63.996 56.427,63.996 56.461,63.963 57.138,63.963 57.588,63.512 58.505,63.512 58.955,63.963 59.873,63.963 60.011,64.1 60.721,64.1 60.756,64.135 61.574,64.135 61.609,64.1 66.146,64.1 67.513,62.734 67.513,56.096 68.625,54.983 69.029,54.983 69.315,55.269 69.315,58.395 69.262,58.447 69.262,61.573 70.163,62.473 70.163,63.314 v1(69.785,63.692)
  Bottom Layer w0.125: VT4.2@48.96,65.508 49,65.468 49,64.395 49.078,64.317 49.078,63.936 v1(49.169,63.845) ; v1(69.785,63.692) 69.785,63.615 70.35,63.05 R54.1@71.4,63.05
NetTYPE-C_A4_B9: TYPE-C.A4_B9 TYPE-C.B4_A9 | length 6
  Top Layer w0.125: TYPE-C.B4_A9@36.35,60.6 36.112,60.837 35.813,60.837 35.367,61.283 35.367,64.717 35.713,65.062 35.742,65.062 36.08,65.4 TYPE-C.A4_B9@36.35,65.4
NetU1_1: U1.1 U4.123 | length 3.9
  Top Layer w0.125: U4.123@41.86,56.7 43.6,56.7 v1(43.775,56.875)
  Bottom Layer w0.125: v1(43.775,56.875) 43.802,56.875 44.805,55.873 U1.1@44.805,55.4